# Altium PCB sFMC-98_s2.PcbDoc (part 1 of 2)
Units mm, origin at the board's own origin, x right, y up, seen from the top; angles counter-clockwise.
Board outline 80.35 x 49 mm, 2 copper layers (Top Layer, Bottom Layer); 74 components, 111 nets, 431 pads, 199 vias.
Unrouted connection lines stored in the file: 1.
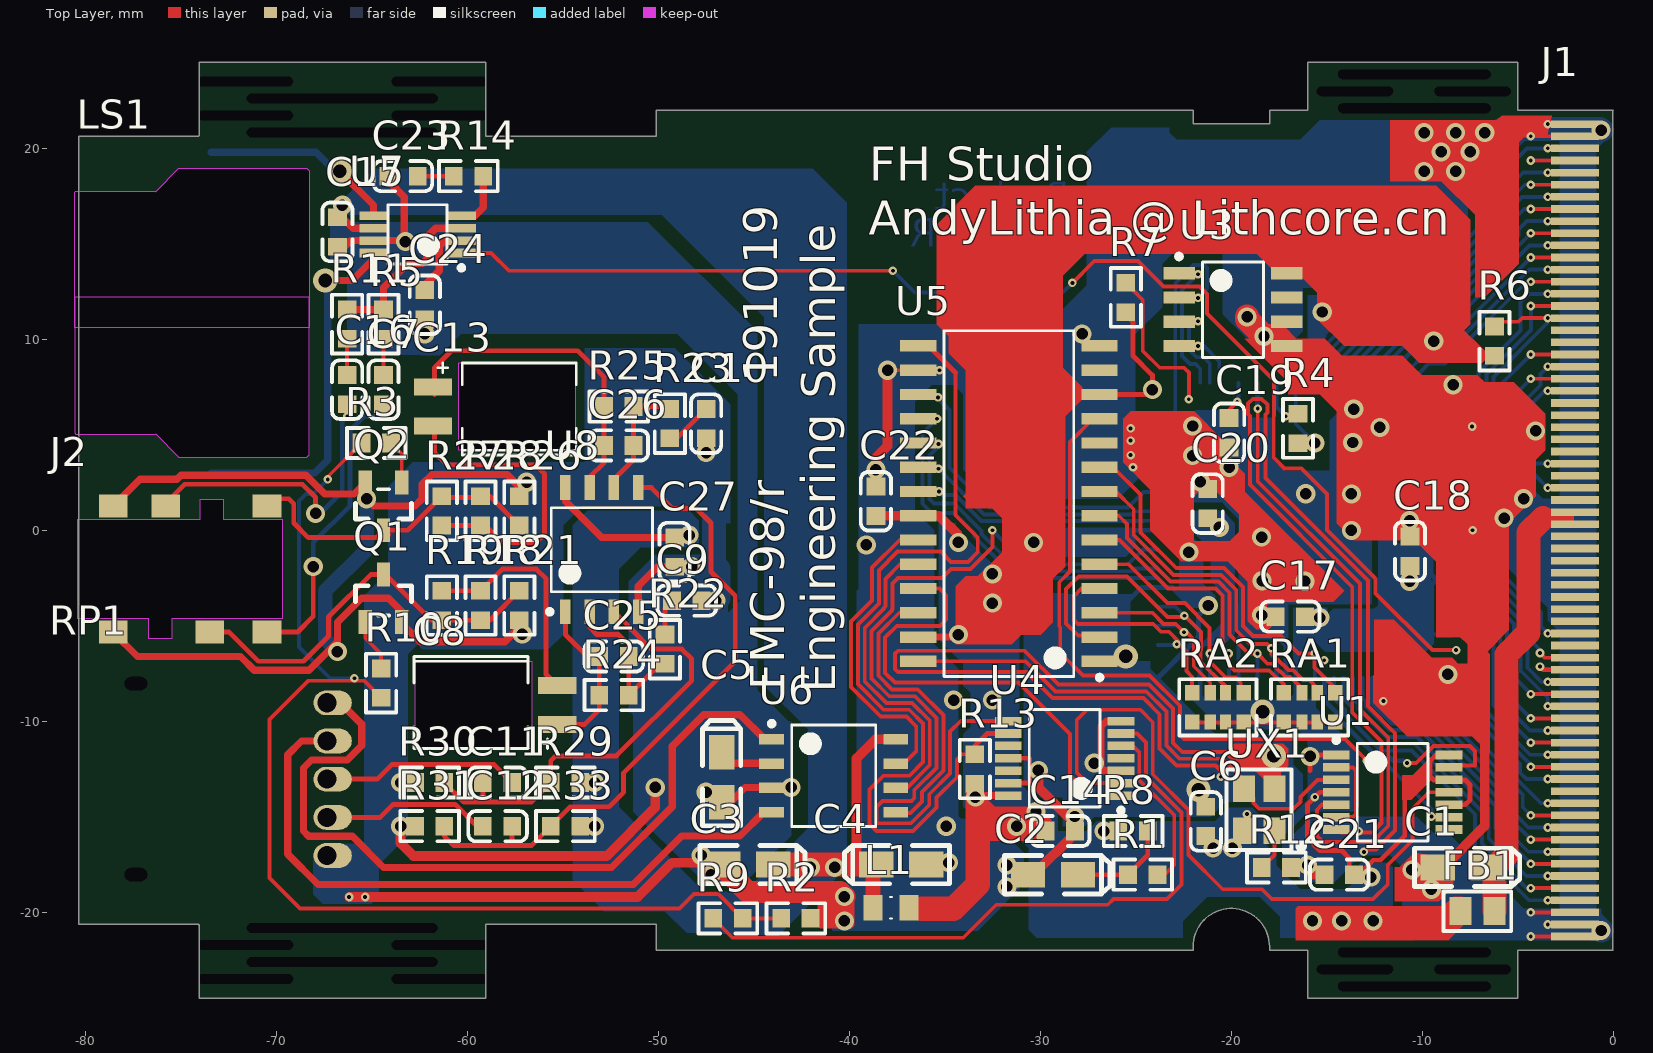
[diagram p0: Top Layer view]
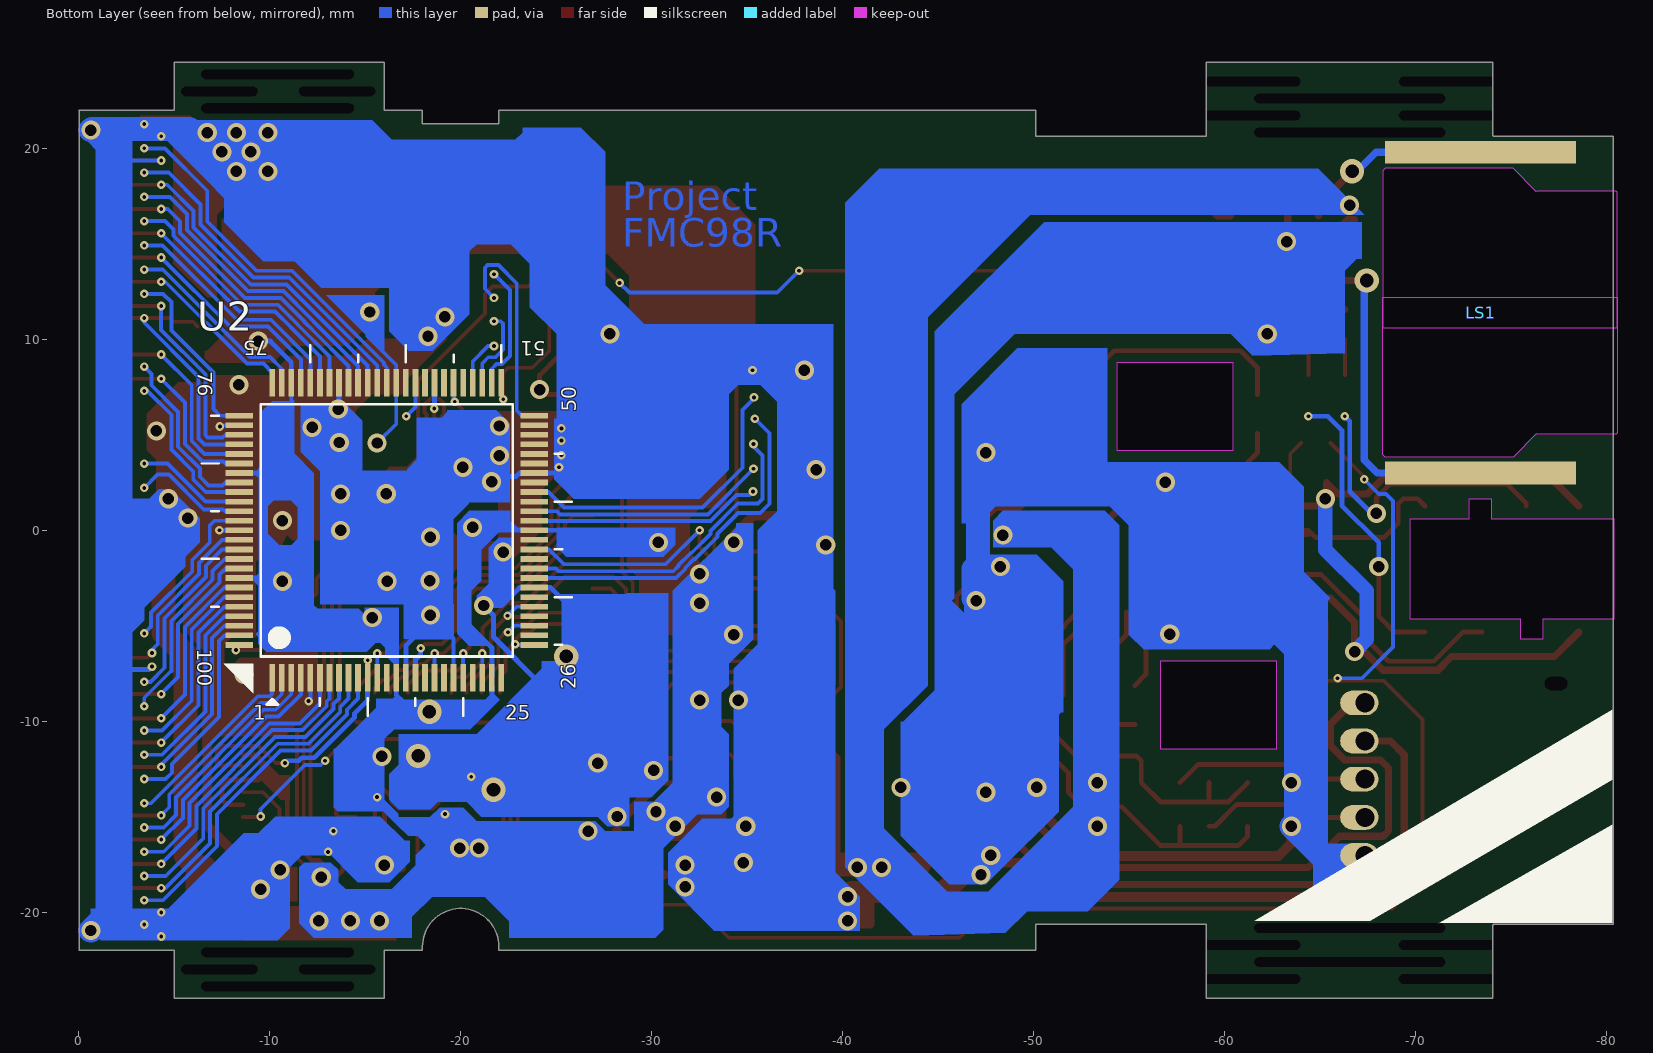
[diagram p1: Bottom Layer view, seen from below]
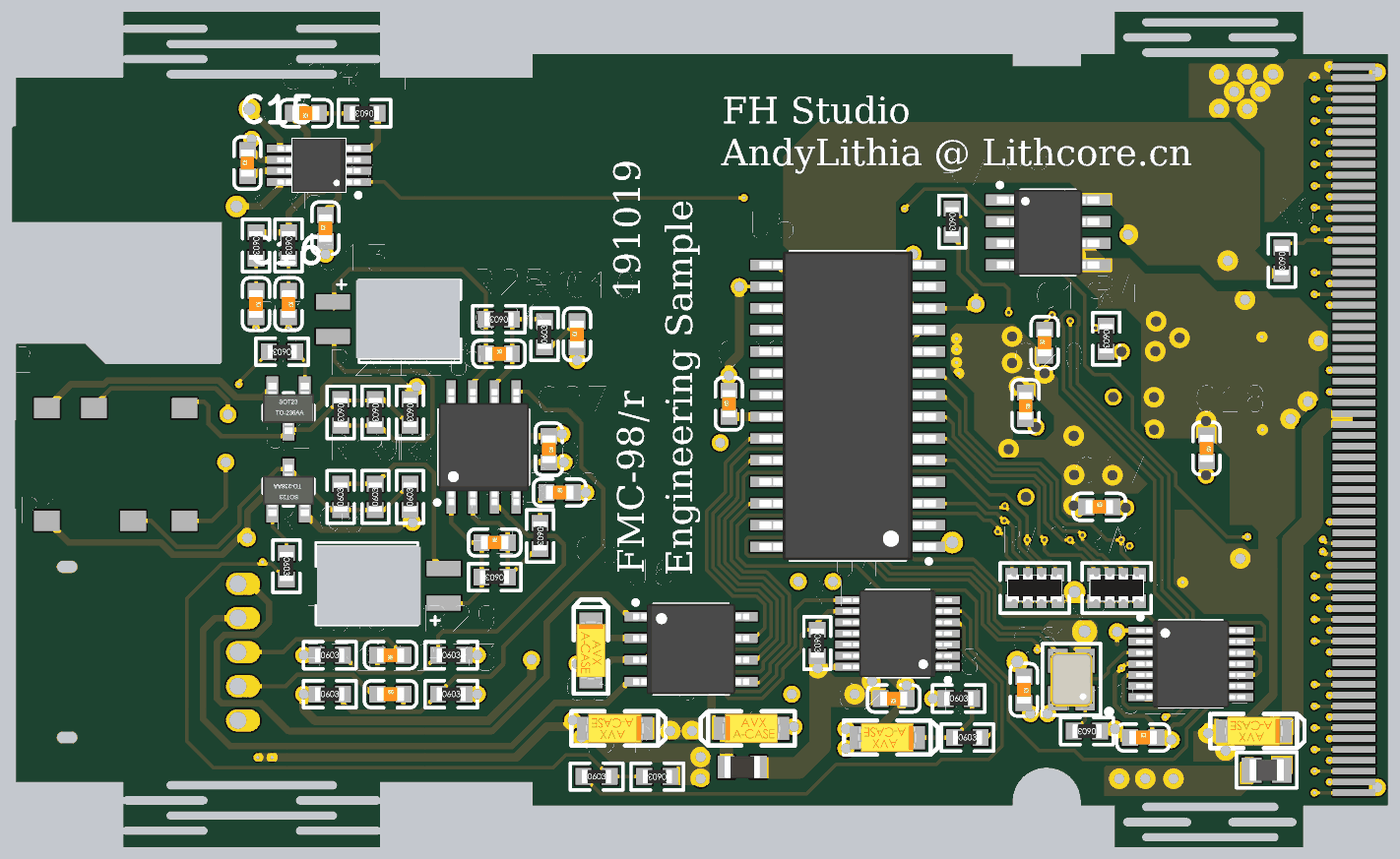
[diagram p3: 3D render of the assembled board from above, using the file's embedded part models]

## Layer stack, top to bottom
Top Solder: solder mask 0.0102, Solder Resist, Dk 3.5
Top Layer: signal copper 0.0356
Dielectric 1: dielectric 0.32, FR-4, Dk 4.8
Bottom Layer: signal copper 0.0356
Bottom Solder: solder mask 0.0102, Solder Resist, Dk 3.5

## Board outline
-80.35,-20.625 -74.092,-20.625 -74.041,-20.676 -74.041,-24.5 -59.041,-24.5 -59.041,-20.625 -50.1,-20.625 -50.1,-22 -22,-22 -22,-21.8 cw(c-20,-21.8) -18,-21.8 -18,-22 -16.002,-22 -16.002,-24.5 -5,-24.5 -5,-22 -0.025,-22 -0.025,22 0,22 -5,22 -5,24.5 -16.002,24.5 -16.002,22 -18,22 -18,21.3 -22,21.3 -22,22 -50.1,22 -50.1,20.625 -59.041,20.625 -59.041,24.5 -74.041,24.5 -74.041,20.676 -74.092,20.625 -80.35,20.625
cut-out: -80.493,5.029 -76.352,5.029 -76.327,5.055 -75.108,3.835 -68.402,3.835 -68.275,3.962 -68.275,12.192 -80.569,12.192 -80.569,5.105
cut-out: -80.493,17.765 -76.352,17.765 -76.327,17.74 -75.108,18.959 -68.402,18.959 -68.275,18.832 -68.275,10.602 -80.569,10.602 -80.569,17.689
cut-out: -73.991,0.568 -73.991,1.618 -72.791,1.618 -72.791,0.568 -69.691,0.568 -69.691,-4.632 -75.491,-4.632 -75.491,-5.682 -76.691,-5.682 -76.691,-4.632 -80.391,-4.632 -80.391,0.568
cut-out: -54.356,4.191 -60.452,4.191 -60.452,8.763 -54.356,8.763
cut-out: -62.738,-6.858 -56.642,-6.858 -56.642,-11.43 -62.738,-11.43

## Design rules (kind name [scope] priority, off if disabled: settings)
Clearance [All] p1: gap=0.152 ignorepadtopadclearanceinfootprint=FALSE except(0: Arc-Hole Track-Hole SMDPad-Hole THPad-Hole Via-Hole Fill-Hole Poly-Hole Region-Hole Text-Hole)
PolygonConnect [All] p1: connectstyle=Relief reliefconductorwidth=0.254 reliefentries=4 polygonreliefangle="90 Angle" airgapwidth=0.254
RoutingVias [All] p1: holewidth=0.711 width=1.27 viastyle="Through Hole" minholewidth=0.711 minwidth=1.27 maxholewidth=0.711 maxwidth=1.27
SolderMaskExpansion [All] p1: expansion=0.102
Width [All] p1: maxlimit=1.27 minlimit=0.102 preferedwidth=0.203 minimp=50.000000 maximp=50.000000 favimp=50.000000
30 further rules are at their usual default settings.

## Components (designator, comment, footprint, x,y, rotation, side; value= is the part's Value field where it differs from the comment)
C1 "10uF (106) ±10% 16V" CASE-A_3216 -7.874,-17.653 r0 top
C2 "10uF (106) ±10% 16V" CASE-A_3216 -29.337,-18.034 r0 top
C3 "10uF (106) ±10% 16V" CASE-A_3216 -45.288,-17.501 r0 top
C4 "10uF (106) ±10% 16V" CASE-A_3216 -37.287,-17.501 r180 top
C5 "10uF (106) ±10% 16V" CASE-A_3216 -46.685,-12.929 r90 top
C6 "100nF (104) 10% 50V" 0603_C -21.336,-15.24 r270 top
C7 "100nF (104) 10% 50V" 0603_C -64.389,7.366 r270 top
C8 "Cap Elec" C-RB-4_5MM_Cutout -57.077,-9.144 r180 top value=10uF
C9 "100nF (104) 10% 50V" 0603_C -48.514,-3.683 r0 top
C10 "100nF (104) 10% 50V" 0603_C -47.498,5.588 r90 top
C11 "470nF (474) 10% 25V" 0603_C -58.42,-13.208 r180 top
C12 "470nF (474) 10% 25V" 0603_C -58.42,-15.494 r0 top
C13 "Cap Elec" C-RB-4_5MM_Cutout -60.017,6.477 r0 top value=10uF
C14 "100nF (104) 10% 50V" 0603_C -28.956,-15.748 r180 top
C15 "1uF (105) 10% 50V" 0603_C -66.802,15.621 r90 top
C16 "100nF (104) 10% 50V" 0603_C -66.294,7.366 r270 top
C17 "100nF (104) 10% 50V" 0603_C -16.916,-4.521 r0 top
C18 "100nF (104) 10% 50V" 0603_C -10.643,-1.092 r270 top
C19 "100nF (104) 10% 50V" 0603_C -20.117,5.105 r90 top
C20 "100nF (104) 10% 50V" 0603_C -21.234,1.397 r270 top
C21 "100nF (104) 10% 50V" 0603_C -14.351,-18.034 r0 top
C22 "100nF (104) 10% 50V" 0603_C -38.608,1.524 r90 top
C23 "100nF (104) 10% 50V" 0603_C -63.373,18.542 r180 top
C24 "1uF (105) 10% 50V" 0603_C -62.23,11.811 r90 top
C25 "100nF (104) 10% 50V" 0603_C -52.324,-6.604 r0 top
C26 "100nF (104) 10% 50V" 0603_C -52.07,4.445 r0 top
C27 "100nF (104) 10% 50V" 0603_C -49.149,-1.143 r270 top
FB1 "100Ω ±25% 100MHz" 0805_L -7.112,-19.939 r180 top
J1 "PCMCIA Connector" PCF-SMT-K1 0,0 r270 top locked
J2 "PJK-242S-C" PJK-242S-C -80.391,-2.032 r0 top
L1 "Bead" L2012X10N_LQW21 -37.821,-19.761 r0 top value=1
LS1 "Buzzer" SPK_PCB_MOUNT -68.406,3.897 r90 top
Q1 "C945" SOT-23(SOT-23-3) -64.389,-3.556 r270 top
Q2 "C945" SOT-23(SOT-23-3) -64.389,1.25 r90 top
R1 "10KΩ (1002) ±1%" 0603_R -24.638,-18.034 r0 top
R2 "4.7KΩ (4701) ±1%" 0603_R -42.799,-20.32 r180 top
R3 "10KΩ (1002) ±1%" 0603_R -64.77,4.572 r180 top
R4 "10KΩ (1002) ±1%" 0603_R -16.51,5.334 r270 top
R5 "300KΩ (3003) ±1%" 0603_R -64.389,10.795 r270 top
R6 "10KΩ (1002) ±1%" 0603_R -6.223,9.906 r270 top
R7 "10KΩ (1002) ±1%" 0603_R -25.527,12.192 r270 top
R8 "47KΩ (4702) ±1%" 0603_R -25.146,-15.748 r0 top
R9 "4.7KΩ (4701) ±1%" 0603_R -46.355,-20.32 r0 top
R10 "10KΩ (1002) ±1%" 0603_R -64.516,-8.001 r270 top
R11 "300KΩ (3003) ±1%" 0603_R -66.294,10.795 r270 top
R12 "Optional" 0603_R -17.641,-17.653 r180 top
R13 "10KΩ (1002) ±1%" 0603_R -33.426,-12.497 r270 top
R14 "150KΩ (1503) ±1%" 0603_R -59.944,18.542 r180 top
R18 "68Ω (68R0) ±1%" 0603_R -59.309,-3.937 r90 top
R19 "68Ω (68R0) ±1%" 0603_R -61.341,-3.937 r90 top
R21 "47KΩ (4702) ±1%" 0603_R -57.277,-3.937 r90 top
R22 "10KΩ (1002) ±1%" 0603_R -49.657,-6.223 r270 top
R23 "10KΩ (1002) ±1%" 0603_R -49.403,5.588 r90 top
R24 "22KΩ (2202) ±1%" 0603_R -52.324,-8.636 r180 top
R25 "22KΩ (2202) ±1%" 0603_R -52.07,6.477 r180 top
R26 "47KΩ (4702) ±1%" 0603_R -57.277,1.016 r270 top
R27 "68Ω (68R0) ±1%" 0603_R -61.341,1.016 r270 top
R28 "68Ω (68R0) ±1%" 0603_R -59.309,1.016 r270 top
R29 "10KΩ (1002) ±1%" 0603_R -54.864,-13.208 r0 top
R30 "10KΩ (1002) ±1%" 0603_R -61.976,-13.208 r0 top
R31 "10KΩ (1002) ±1%" 0603_R -61.976,-15.494 r0 top
R33 "10KΩ (1002) ±1%" 0603_R -54.864,-15.494 r0 top
RA1 "10KΩ (103) ±5%" 0603_Rx4 -15.9,-9.271 r180 top
RA2 "10KΩ (103) ±5%" 0603_Rx4 -20.701,-9.271 r180 top
RP1 "RPot Generic B103" RPot_RK10J12E_ALPS -74.854,-13.03 r90 top
U1 "7474" TSSOP14_TSOP65P640X120-14N -11.557,-13.716 r0 top
U2 "Z86017/Z16017" VQFP100_TSQFP50P1600X1600X160-100N -16.129,0 r90 bottom locked
U3 "ST93C56_C57" "SOIC-8 NB" -19.914,11.557 r0 top
U4 "7404" TSSOP14_TSOP65P640X120-14N -28.727,-11.938 r180 top
U5 "YMF288-M SOP28" SOP127P1030X265-28N -31.648,1.397 r180 top locked
U6 "uPD6379A_AL" DMP8_SOIC127P680X175-8N -40.818,-12.852 r0 top
U7 "NS4150" MS8 -62.611,15.494 r180 top
U8 "NJM3414AD/AM/AV" DMP8_SOIC127P680X175-8N -52.959,-1.016 r90 top
UX1 "Crystal OSC" SMD-3225_4P -18.542,-14.63 r90 top

## Footprints (in the part's own frame and the unit in brackets; to place one, negate y for a bottom-side part, rotate by r counter-clockwise, add the part's x,y. Pads: shape width x height; smd on the part's side, far side on the other; paste and mask are expansions set on the pad)
0603_C [mm]
  rect 0.93x0.98 smd: 1(-0.77,0) 2(0.77,0)
  silkscreen extent -1.53,-0.79 1.54,0.79, body extent -0.8,-0.4 0.8,0.4, height 0.3
0603_R [mm]
  rect 0.93x0.98 smd: 1(-0.77,0) 2(0.77,0)
  silkscreen extent -1.53,-0.79 1.54,0.79, body extent -0.85,-0.4 0.85,0.4, height 0.56
0603_Rx4 [mm]
  rect 0.75x0.8 smd mask+0.051: 1(-1.35,-0.77) 4(1.35,-0.77) 5(1.35,0.77) 8(-1.35,0.77)
  rect 0.58x0.8 smd mask+0.051: 2(-0.4,-0.77) 3(0.4,-0.77) 6(0.4,0.77) 7(-0.4,0.77)
  silkscreen extent -2.03,-1.47 2.03,1.47, body extent -1.6,-0.8 1.6,0.8, height 0.55
0805_L [mm]
  rect 1.16x1.47 smd: 1(-0.89,0) 2(0.89,0)
  silkscreen extent -1.77,-1.04 1.77,1.03, body extent -1.02,-0.64 1.03,0.64, height 0.6
C-RB-4_5MM_Cutout [mm]
  rect 2x0.89 smd: 1(-1.778,1.016) 2(-1.778,-1.016)
  silkscreen extent -1.52,-2.54 5.71,2.29, body extent -2,-2 5,2, height 2
CASE-A_3216 [mm]
  rect 1.8x1.35 smd: 1(1.31,0) 2(-1.31,0)
  silkscreen extent -2.54,-1 2.97,1, body extent -1.7,-0.84 1.7,0.84, height 1.71
DMP8_SOIC127P680X175-8N [mm] "SOIC, 8-Leads, Body 5.00x5.00mm, Pitch 1.27mm, IPC Medium Density"
  rect 1.3x0.55 smd: 1(-3.25,1.905) 2(-3.25,0.635) 3(-3.25,-0.635) 4(-3.25,-1.905) 5(3.25,-1.905) 6(3.25,-0.635) 7(3.25,0.635) 8(3.25,1.905)
  silkscreen extent -3.37,-2.65 2.2,2.85, body extent -3.4,-2.65 3.4,2.65, height 1.75
L2012X10N_LQW21 [mm] "Chip Inductor, 2-Leads, Body 2.00x1.20mm, IPC Medium Density, Murata LQW21 Series"
  rect 0.98x1.34 smd: 1(-0.94,0) 2(0.94,0)
  silkscreen extent -0.05,-0.57 0.05,0.57, body extent -1.05,-0.65 1.05,0.65, height 1
MS8 [mm] "8-Lead Plastic MSOP ( Reference LTC DWG # 05-08-1660 )"
  rect 1.5x0.45 smd: 1(-2.3,0.975) 2(-2.3,0.325) 3(-2.3,-0.325) 4(-2.3,-0.975) 5(2.3,-0.975) 6(2.3,-0.325) 7(2.3,0.325) 8(2.3,0.975)
  silkscreen extent -2.43,-1.55 1.55,1.87, body extent -2.44,-1.55 2.44,1.55, height 0.86
PCF-SMT-K1 [mm] "PCMCIA Female Single Side SMT"
  rect 0.4x2.5 smd: 1(-21.27,-2) 2(-20,-2) 3(-18.73,-2) 4(-17.46,-2) 5(-16.19,-2) 6(-14.92,-2) 7(-13.65,-2) 8(-12.38,-2) 9(-11.11,-2) 10(-9.84,-2) 11(-8.57,-2) 12(-7.3,-2) 13(-6.03,-2) 14(-4.76,-2) 15(-3.49,-2) 16(-2.22,-2) 17(-0.95,-2) 18(0.32,-2) 19(1.59,-2) 20(2.86,-2) 21(4.13,-2) 22(5.4,-2) 23(6.67,-2) 24(7.94,-2) 25(9.21,-2) 26(10.48,-2) 27(11.75,-2) 28(13.02,-2) 29(14.29,-2) 30(15.56,-2) 31(16.83,-2) 32(18.1,-2) 33(19.37,-2) 34(20.64,-2) 35(-20.635,-2) 36(-19.365,-2) 37(-18.095,-2) 38(-16.825,-2) 39(-15.555,-2) 40(-14.285,-2) 41(-13.015,-2) 42(-11.745,-2) 43(-10.475,-2) 44(-9.205,-2) 45(-7.935,-2) 46(-6.665,-2) 47(-5.395,-2) 48(-4.125,-2) 49(-2.855,-2) 50(-1.585,-2) 51(-0.315,-2) 52(0.955,-2) 53(2.225,-2) 54(3.495,-2) 55(4.765,-2) 56(6.035,-2) 57(7.305,-2) 58(8.575,-2) 59(9.845,-2) 60(11.115,-2) 61(12.385,-2) 62(13.655,-2) 63(14.925,-2) 64(16.195,-2) 65(17.465,-2) 66(18.735,-2) 67(20.005,-2) 68(21.27,-2)
  body extent -23.2,0 23.2,6, height 1.75
PJK-242S-C [mm]
  rect 1.5x1.2 smd: 1(1.85,-3.3) 3(9.9,3.3) 4(6.9,-3.3) 5(4.6,3.3) 6(9.9,-3.3)
  rect 1.5x1.2 smd mask+0.102: 2(1.85,3.3)
  body extent -1.5,-2.9 10.3,2.9, height 2.4
RPot_RK10J12E_ALPS [mm] "Thru Hole Rotary Potentiometer"
  round 0 hole 0.7 slot 1.2 at 90 deg: 0(-5,2.5) 0(5,2.5)
  oval 1.3x2 hole 1 copper offset 0,-0.3: 1(-4,-7.5) 2(-2,-7.5) 3(0,-7.5) 4(2,-7.5) 5(4,-7.5)
  body extent -7,-7.5 7,7, height 1.8
SMD-3225_4P [mm]
  rect 1.4x1.15 smd: 1(-1.1,-0.8) 2(1.1,-0.8) 3(1.1,0.8) 4(-1.1,0.8)
  silkscreen extent -2.1,-2.35 2.1,1.7, body extent -1.6,-1.25 1.6,1.25, height 0.61
"SOIC-8 NB" [mm] "SOIC, 8-Leads, Body 4.90x3.90mm, Pitch 1.27mm, IPC Low Density"
  rect 1.65x0.65 smd: 1(-2.825,1.905) 2(-2.825,0.635) 3(-2.825,-0.635) 4(-2.825,-1.905) 5(2.825,-1.905) 6(2.825,-0.635) 7(2.825,0.635) 8(2.825,1.905)
  silkscreen extent -2.95,-2.5 1.6,2.9, body extent -3,-2.5 3,2.5, height 1.75
SOP127P1030X265-28N [mm] "SOP, 28-Leads, Body 17.90x7.50mm, Pitch 1.27mm, IPC Medium Density"
  rect 1.9x0.6 smd: 1(-4.75,8.255) 2(-4.75,6.985) 3(-4.75,5.715) 4(-4.75,4.445) 5(-4.75,3.175) 6(-4.75,1.905) 7(-4.75,0.635) 8(-4.75,-0.635) 9(-4.75,-1.905) 10(-4.75,-3.175) 11(-4.75,-4.445) 12(-4.75,-5.715) 13(-4.75,-6.985) 14(-4.75,-8.255) 15(4.75,-8.255) 16(4.75,-6.985) 17(4.75,-5.715) 18(4.75,-4.445) 19(4.75,-3.175) 20(4.75,-1.905) 21(4.75,-0.635) 22(4.75,0.635) 23(4.75,1.905) 24(4.75,3.175) 25(4.75,4.445) 26(4.75,5.715) 27(4.75,6.985) 28(4.75,8.255)
  silkscreen extent -4.88,-9.05 3.4,9.23, body extent -5.16,-9.05 5.16,9.05, height 2.65
SOT-23(SOT-23-3) [mm]
  rect 1.25x0.7 smd: 1(1.25,-0.95) 2(1.25,0.95) 3(-1.25,0)
  silkscreen extent -0.65,-1.46 0.9,1.46, body extent -1.5,-1.5 1.5,1.5, height 1.3
SPK_PCB_MOUNT [mm]
  rect 1.2x10 smd far side: 1(-0.9,5) 2(15.9,5)
  body extent 0,0 15,12, height 3
TSSOP14_TSOP65P640X120-14N [mm] "TSOP, 14-Leads, Body 5.00x4.40mm, Pitch 0.65mm, IPC Medium Density"
  rect 1.4x0.45 smd: 1(-2.95,1.95) 2(-2.95,1.3) 3(-2.95,0.65) 4(-2.95,0) 5(-2.95,-0.65) 6(-2.95,-1.3) 7(-2.95,-1.95) 8(2.95,-1.95) 9(2.95,-1.3) 10(2.95,-0.65) 11(2.95,0) 12(2.95,0.65) 13(2.95,1.3) 14(2.95,1.95)
  silkscreen extent -3.07,-2.55 1.85,2.85, body extent -3.2,-2.55 3.2,2.55, height 1.2
VQFP100_TSQFP50P1600X1600X160-100N [mm] "TSQFP, 100-Leads, Body 14.00x14.00mm, Pitch 0.50mm, IPC Medium Density"
  rect 1.45x0.3 smd: 1(-7.725,6) 2(-7.725,5.5) 3(-7.725,5) 4(-7.725,4.5) 5(-7.725,4) 6(-7.725,3.5) 7(-7.725,3) 8(-7.725,2.5) 9(-7.725,2) 10(-7.725,1.5) 11(-7.725,1) 12(-7.725,0.5) 13(-7.725,0) 14(-7.725,-0.5) 15(-7.725,-1) 16(-7.725,-1.5) 17(-7.725,-2) 18(-7.725,-2.5) 19(-7.725,-3) 20(-7.725,-3.5) 21(-7.725,-4) 22(-7.725,-4.5) 23(-7.725,-5) 24(-7.725,-5.5) 25(-7.725,-6) 51(7.725,-6) 52(7.725,-5.5) 53(7.725,-5) 54(7.725,-4.5) 55(7.725,-4) 56(7.725,-3.5) 57(7.725,-3) 58(7.725,-2.5) 59(7.725,-2) 60(7.725,-1.5) 61(7.725,-1) 62(7.725,-0.5) 63(7.725,0) 64(7.725,0.5) 65(7.725,1) 66(7.725,1.5) 67(7.725,2) 68(7.725,2.5) 69(7.725,3) 70(7.725,3.5) 71(7.725,4) 72(7.725,4.5) 73(7.725,5) 74(7.725,5.5) 75(7.725,6)
  rect 0.3x1.45 smd: 26(-6,-7.725) 27(-5.5,-7.725) 28(-5,-7.725) 29(-4.5,-7.725) 30(-4,-7.725) 31(-3.5,-7.725) 32(-3,-7.725) 33(-2.5,-7.725) 34(-2,-7.725) 35(-1.5,-7.725) 36(-1,-7.725) 37(-0.5,-7.725) 38(0,-7.725) 39(0.5,-7.725) 40(1,-7.725) 41(1.5,-7.725) 42(2,-7.725) 43(2.5,-7.725) 44(3,-7.725) 45(3.5,-7.725) 46(4,-7.725) 47(4.5,-7.725) 48(5,-7.725) 49(5.5,-7.725) 50(6,-7.725) 76(6,7.725) 77(5.5,7.725) 78(5,7.725) 79(4.5,7.725) 80(4,7.725) 81(3.5,7.725) 82(3,7.725) 83(2.5,7.725) 84(2,7.725) 85(1.5,7.725) 86(1,7.725) 87(0.5,7.725) 88(0,7.725) 89(-0.5,7.725) 90(-1,7.725) 91(-1.5,7.725) 92(-2,7.725) 93(-2.5,7.725) 94(-3,7.725) 95(-3.5,7.725) 96(-4,7.725) 97(-4.5,7.725) 98(-5,7.725) 99(-5.5,7.725) 100(-6,7.725)
  silkscreen extent -9.7,-9.7 9.7,9.7, body extent -8,-8 8,8, height 1.6

## Part data
C1 C2 C3 C4 C5: library part "3216 10uF (106) 10% 16V", "钽电容", Package=3216, SuppliersPartNumber=C7171, ComponentLink1Description=供应, ComponentLink1URL=http://www.szlcsc.com/product/details_7643.html, Supplier=LC
C6 C7 C9 C10 C14 C16 C17 C18 C19 C20 C21 C22 C23 C25 C26 C27: library part "0603 100nF (104) 10% 50V", "贴片电容", Package=0603, SuppliersPartNumber=C14663, ComponentLink1Description=供应, ComponentLink1URL=http://www.szlcsc.com/product/details_15331.html, Supplier=LC
C8 C13: library part "Cap Pol3", "Polarized Capacitor (Surface Mount)", LatestRevisionDate=29-May-2009, LatestRevisionNote="IPC-7351 Footprint Added.", PackageDescription="Chip Capacitor", PackageReference=C0805, Published=8-Jun-2000, Publisher="Altium Limited"
C11 C12: library part "0603 470nF (474) 10% 25V", "贴片电容", Package=0603, SuppliersPartNumber=C1623, ComponentLink1Description=供应, ComponentLink1URL=http://www.szlcsc.com/product/details_1975.html, Supplier=LC
C15 C24: library part "0603 1uF (105) 10% 50V", "贴片电容", Package=0603, SuppliersPartNumber=C15849, ComponentLink1Description=供应, ComponentLink1URL=http://www.szlcsc.com/product/details_16531.html, Supplier=LC
FB1: library part "0805 100Ω 25% 100MHz", "贴片磁珠", Package=0805, SuppliersPartNumber=C1015, ComponentLink1Description=供应, ComponentLink1URL=http://www.szlcsc.com/product/details_1367.html, Supplier=LC
J1: library part PCMCIA_Conn
J2: "2.5mm Headphone Jack"
L1: library part Inductor, "Inductor", Code_IEC=1005, Code_JEITA=0402, LatestRevisionDate=29-May-2009, LatestRevisionNote="IPC-7351 Footprint Added.", PackageDescription="Chip Inductor", PackageReference=0402-A, Published=8-Jun-2000, Publisher="Altium Limited"
LS1: "Magnetic Transducer Buzzer", ComponentLink1Description="Manufacturer Link", ComponentLink1URL=http://www.megastar.com/linecard/buzzmode/index.php, DatasheetVersion=17-Dec-2003, LatestRevisionDate=17-Dec-2003, LatestRevisionNote="Schematic revised, PCB Footprint replaced.", PackageDescription="Magnetic Transducer Buzzer", PackageReference=ABSM-1574, Published=24-Mar-1999, Publisher="Altium Limited"
Q1 Q2: library part "SOT-23 SS8050 Y1", "三极管", Package=SOT-23, SuppliersPartNumber=C2150, ComponentLink1Description=供应, ComponentLink1URL=http://www.szlcsc.com/product/details_2507.html, Supplier=LC
R1 R3 R4 R6 R7 R10 R12 R13 R22 R23 R29 R30 R31 R33: library part "0603 10KΩ (1002) 1%", "贴片电阻", Package=0603, SuppliersPartNumber=C25804, ComponentLink1Description=供应, ComponentLink1URL=http://www.szlcsc.com/product/details_26547.html, Supplier=LC
R2 R9: library part "0603 4.7KΩ (4701) 1%", "贴片电阻", Package=0603, SuppliersPartNumber=C23162, ComponentLink1Description=供应, ComponentLink1URL=http://www.szlcsc.com/product/details_23889.html, Supplier=LC
R5 R11: library part "0603 300KΩ (3003) 1%", "贴片电阻", Package=0603, SuppliersPartNumber=C23024, ComponentLink1Description=供应, ComponentLink1URL=http://www.szlcsc.com/product/details_23751.html, Supplier=LC
R8 R21 R26: library part "0603 47KΩ (4702) 1%", "贴片电阻", Package=0603, SuppliersPartNumber=C25819, ComponentLink1Description=供应, ComponentLink1URL=http://www.szlcsc.com/product/details_26562.html, Supplier=LC
R14: library part "0603 150KΩ (1503) 1%", "贴片电阻", Package=0603, SuppliersPartNumber=C22807, ComponentLink1Description=供应, ComponentLink1URL=http://www.szlcsc.com/product/details_23534.html, Supplier=LC
R18 R19 R27 R28: library part "0603 68Ω (68R0) 1%", "贴片电阻", Package=0603, SuppliersPartNumber=C27592, ComponentLink1Description=供应, ComponentLink1URL=http://www.szlcsc.com/product/details_28341.html, Supplier=LC
R24 R25: library part "0603 22KΩ (2202) 1%", "贴片电阻", Package=0603, SuppliersPartNumber=C31850, ComponentLink1Description=供应, ComponentLink1URL=http://www.szlcsc.com/product/details_32812.html, Supplier=LC
RA1 RA2: library part "0603*4  10KΩ (103) 5%", "贴片排阻", Package=0603*4, SuppliersPartNumber=C29718, ComponentLink1Description=供应, ComponentLink1URL=http://www.szlcsc.com/product/details_30472.html, Supplier=LC
RP1: library part RPot_Generic_Bxxx
U1: library part 7474_J_N_1, "Dual D-Type Positive-Edge-Triggered Flip-Flops With Preset And Clear"
U2: library part ZX6017
U3: "2K (128 x 16 or 256 x 8) SERIAL MICROWIRE EEPROM"
U4: library part 7404_J_N_1, "Hex Inverter"
U5: library part YMF288_M
U6: "2-CHANNEL 16-BIT D/A CONVERTER FOR AUDIO APPLICATION"
U7: "超低 EMI、无需滤波器、3W 单声道 D 类音频功放"
U8: library part NJM3414AD_AM_AV_1, "Single-Supply Dual High Current Operational Amplifier"
UX1: library part XTAL_OSC, Freq=7.98MHz

## Free pads (board coordinates)
  rect 0x0 hole 0.5 slot 10 at 0 deg unplated: 2(-66.548,-22.606) 2(-66.548,-20.828) 2(-66.548,20.828) 2(-66.548,22.606)
  rect 0x0 hole 0.5 slot 5 at 0 deg unplated: 3(-71.628,-23.495) 3(-71.628,-21.717) 3(-71.628,21.717) 3(-71.628,23.495) 3(-61.468,-23.495) 3(-61.468,-21.717) 3(-61.468,21.717) 3(-61.468,23.495)
  rect 0x0 hole 0.5 slot 4 at 0 deg unplated: 3(-13.528,-22.987) 3(-13.528,22.987) 3(-7.366,-22.987) 3(-7.366,22.987)
  rect 0x0 hole 0.5 slot 8 at 0 deg unplated: 3(-10.414,-23.876) 3(-10.414,-22.098) 3(-10.414,22.098) 3(-10.414,23.876)

## Via types
v1: diameter 1, hole 0.6, Top Layer to Bottom Layer, 98 vias
v2: diameter 0.45, hole 0.2, Top Layer to Bottom Layer, 95 vias
v3: diameter 1.27, hole 0.711, Top Layer to Bottom Layer, 6 vias

## Nets (pads, with @x,y where several pads share a name; then routed paths per layer and width w, separated by ;. In a path a pad name is that pad's centre, name@x,y a point inside that pad or via, vN(x,y) a via of type N, cw(c..) or ccw(c..) an arc to the next point about the centre after c; other vN are vias at no path point)
5V: C6.2 C14.2 C17.2 C18.2 C20.2 C21.2 C22.1 FB1.2 L1.2 R4.2 R6.2 R7.2 R8.1 R13.2 RA1.5 RA1.6 RA1.7 RA1.8 RA2.5 RA2.6 RA2.7 RA2.8 U1.1 U1.4 U1.10 U1.12 U1.14 U2.14 U2.24 U2.38 U2.62 U2.73 U2.82 U2.93 U3.8 U4.14 U5.12 U5.22 U5.27 UX1.4 | length 116.1
  Top Layer w0.203: RA2.5@-22.203,-10.066 -20.301,-10.066 -14.576,-10.066 RA1.8@-14.55,-10.041
  Top Layer w0.254: U5.12@-26.898,7.112 -24.384,7.112 v1(-24.13,7.366) -24.13,8.128 -25.146,9.144 -25.146,10.922 R7.2@-25.527,11.303 ; -15.875,-12.573 -15.875,-12.192 -15.449,-11.766 U1.1@-14.507,-11.766 ; U1.4@-14.507,-13.716 -15.367,-13.716 v2(-15.621,-13.97) -16.002,-14.351 -16.002,-16.129 -15.367,-16.764 -14.224,-16.764 -13.826,-17.162 -13.826,-17.789 C21.2@-13.581,-18.034 -13.458,-18.157 -12.573,-17.272 -12.192,-17.272 -10.922,-16.002 -10.922,-13.589 -10.226,-12.893 -9.586,-12.893 ; U1.10@-8.607,-14.366 -7.762,-14.366 -7.493,-14.097 -7.493,-13.335 -7.762,-13.066 U1.12@-8.607,-13.066 -9.413,-13.066 -9.586,-12.893 ; U1.14@-8.607,-11.766 -9.277,-11.766 -9.586,-12.075 -9.586,-12.893
  Top Layer w0.381: U5.27@-36.398,-5.588 -34.417,-5.588 v1(-34.29,-5.461) ; v1(-33.401,-13.97) -33.319,-13.888 U4.14@-31.677,-13.888
  Top Layer w0.508: C22.1@-38.608,0.83 -38.54,0.762 U5.22@-36.398,0.762 -35.306,0.762 -34.29,-0.254 v1(-34.29,-0.635)
  Top Layer w1.27: -36.195,-19.812 -34.544,-19.812 -33.274,-18.542 -33.274,-15.113
  Bottom Layer w0.203: v2(-19.177,-14.859) -19.152,-14.859 -18.694,-15.316 -16.967,-15.316 v2(-15.621,-13.97) ; v1(-15.621,4.572) -16.629,5.58 U2.62@-16.629,7.725 -16.629,8.644 -15.113,10.16 v1@-15.113,11.176 ; -11.201,6.756 -11.176,6.731 ; -11.176,6.223 -11.176,6.731 ; U2.73@-11.129,7.725 -11.129,6.829 -11.176,6.782 -11.176,6.731 ; -9.319,3 -9.576,3.257 -9.576,6.096 -10.16,6.68 -11.125,6.68 -11.176,6.731
  Bottom Layer w0.254: -25.908,0 U2.38@-23.854,0 -22.311,0 -22.294,0.017 -21.648,0.017 -21.631,0 -20.955,0 -20.955,-2.616 -20.43,-3.142 -20.43,-4.936 -21.637,-6.143 -21.637,-7.717 U2.24@-21.629,-7.725 -21.629,-8.699 -21.336,-8.992 -16.993,-8.992 -16.629,-8.628 U2.14@-16.629,-7.725 -16.629,-6.952 -16.154,-6.477 -16.154,-5.867 -16.053,-5.766 -9.739,-5.766 -9.408,-5.436 ; v1(-15.875,-11.836) -15.875,-13.081 -15.621,-13.335 v2(-15.621,-13.97) ; U2.73@-11.129,7.725 -11.129,8.81 -10.033,9.906 v1(-9.398,9.906) ; -9.754,-3.327 -9.754,-3.079 -9.255,-2.581 -9.336,-2.5 ; U2.93@-8.404,-2.5 -9.336,-2.5 ; U2.82@-8.404,3 -9.319,3 -9.55,2.769 -9.55,-2.286 -9.336,-2.5
  other v1: -15.748,-20.447 -14.224,-20.447 -12.573,-20.447 -12.7,-18.161 -20.955,-16.637 -19.939,-16.637 -26.67,-15.748 -31.242,-15.494 -30.226,-14.732 -32.512,-8.89 -15.367,-4.572 -32.512,-3.81 -10.668,-2.667 -32.512,-2.286 -30.353,-0.635 -20.625,0.152 -15.24,11.43
  other v3: -18.364,-9.5
5V_RAW: C1.1 FB1.1 J1.17 J1.51 | length 22.2
  Top Layer w0.203: J1.51@-2.066,0.381 J1.51@-2,0.315
  Top Layer w1.27: FB1.1@-6.222,-19.939 -6.222,-17.995 C1.1@-6.564,-17.653 -6.223,-17.653 -5.588,-17.018 -5.588,-6.503 -4.445,-5.36 -4.445,-0.127 -3.683,0.635
A5V: C3.1 C4.1 C15.2 C27.1 L1.1 R29.2 R33.2 U6.8 U7.6 U8.8 | length 25
  Top Layer w0.381: C15.2@-66.802,16.264 -66.429,16.264 -65.984,15.819 U7.6@-64.911,15.819 ; U8.8@-54.864,2.234 -54.864,1.524 -52.967,-0.373 C27.1@-49.149,-0.373
  Top Layer w0.508: -39.624,-17.501 -39.624,-11.938 -38.633,-10.947 U6.8@-37.568,-10.947
  Top Layer w0.762: L1.1@-38.761,-19.761 C4.1@-38.761,-17.664
  Top Layer w1.27: C3.1@-43.978,-17.501 -39.624,-17.501 C4.1@-38.597,-17.501 C4.1@-38.761,-17.664
  other v1: -42.037,-17.653 -40.767,-17.653 -53.34,-15.494 -53.34,-13.208 -48.387,-0.254 -66.548,17.018
ATA_A0: U2.40 U5.20 | length 12.5
  Bottom Layer w0.203: v2(-35.331,3.226) -32.94,0.835 -25.2,0.835 -25.035,1 U2.40@-23.854,1
ATA_A1: U2.39 U5.21 | length 12.1
  Bottom Layer w0.203: v2(-35.306,2.032) -35.115,1.841 -34.45,1.841 -33.087,0.479 -24.63,0.479 -24.609,0.5 U2.39@-23.854,0.5
ATA_C\S\: U2.42 U5.17 | length 16
  Bottom Layer w0.203: v2(-35.357,6.96) -35.357,6.909 -34.747,6.299 -34.747,3.277 -32.661,1.19 -25.404,1.19 -24.594,2 U2.42@-23.854,2
ATA_D0: RA2.2 U2.30 U5.2 | length 17
  Top Layer w0.203: U5.2@-27.635,-5.512 -28.016,-5.512 -28.651,-4.877 -28.651,-3.073 -27.991,-2.413 -25.471,-2.413 -23.337,-4.547 v2@-22.454,-4.547 ; v2(-22.454,-4.47) -21.59,-5.334 -21.59,-6.232 -21.612,-6.253 -21.612,-6.882 -20.442,-8.052 -20.396,-8.052 -20.301,-8.147 RA2.2@-20.301,-8.501
  Bottom Layer w0.203: U2.30@-23.854,-4 -22.924,-4 v2(-22.454,-4.47)
ATA_D1: RA2.3 U2.28 U5.3 | length 10.2
  Top Layer w0.203: U5.3@-26.898,-4.318 -24.13,-4.318 -23.546,-4.902 -22.911,-4.902 v2(-22.479,-5.334) -22.352,-5.334 -21.967,-5.719 -21.967,-7.116 -21.101,-7.982 RA2.3@-21.101,-8.501
  Bottom Layer w0.203: U2.28@-23.854,-5 -22.813,-5 v2(-22.479,-5.334)
ATA_D2: RA2.4 U2.26 U5.4 | length 12.7
  Top Layer w0.203: U5.4@-26.898,-3.048 -27.838,-3.048 -28.245,-3.454 -28.245,-4.699 -28.042,-4.902 -24.085,-4.902 -23.678,-5.309 -23.268,-5.309 v2@-22.734,-5.843 ; v2(-22.86,-5.969) -22.733,-5.969 -22.352,-6.35 -22.352,-7.366 -22.051,-7.667 RA2.4@-22.051,-8.501
  Bottom Layer w0.203: U2.26@-23.854,-6 v2@-22.86,-6
ATA_D3: RA2.1 U2.23 U5.5 | length 12.8
  Top Layer w0.203: U5.5@-26.898,-1.778 -25.375,-1.778 -23.343,-3.81 -22.428,-3.81 -21.133,-5.105 v2(-21.133,-6.452) -21.133,-6.858 -20.295,-7.696 -19.787,-7.696 -19.503,-7.979 RA2.1@-19.503,-8.526
  Bottom Layer w0.203: v2(-21.133,-6.452) -21.129,-6.455 U2.23@-21.129,-7.725
ATA_D4: RA1.4 U2.21 U5.6 | length 16.5
  Top Layer w0.203: U5.6@-26.873,-0.533 U5.6@-26.898,-0.508 -25.857,-0.508 -23.322,-3.043 -20.828,-3.043 -20.455,-3.416 -20.455,-6.129 v2(-20.133,-6.452) -20.133,-7.045 -19.837,-7.341 -18.015,-7.341 -17.613,-7.743 -17.58,-7.743 -17.25,-8.073 RA1.4@-17.25,-8.501
  Bottom Layer w0.203: U2.21@-20.129,-7.725 v2@-20.129,-6.455
ATA_D5: RA1.3 U2.18 U5.7 | length 17.5
  Top Layer w0.203: U5.7@-26.898,0.762 -25.893,0.762 -25.461,0.33 -25.461,-0.402 -23.175,-2.687 -20.681,-2.687 -20.1,-3.269 -20.1,-5.453 -19.101,-6.452 v2(-18.633,-6.452) -18.099,-6.985 -17.868,-6.985 -17.465,-7.388 -17.433,-7.388 -17.15,-7.671 -16.916,-7.671 -16.3,-8.287 RA1.3@-16.3,-8.501
  Bottom Layer w0.203: U2.18@-18.629,-7.725 v2@-18.629,-6.455
ATA_D6: RA1.2 U2.16 U5.8 | length 19.9
  Top Layer w0.203: U5.8@-26.898,2.032 -26.035,2.032 -25.106,1.103 -25.106,-0.254 -23.028,-2.332 -20.534,-2.332 -20.429,-2.436 ; -20.427,-2.433 -19.744,-3.116 -19.744,-5.233 -19.03,-5.947 -18.137,-5.947 -17.912,-6.172 v2(-17.907,-6.172) -17.907,-6.443 -17.318,-7.032 -17.286,-7.032 -17.003,-7.315 -16.769,-7.315 -16.237,-7.847 -15.905,-7.847 -15.5,-8.252 RA1.2@-15.5,-8.501
  Bottom Layer w0.254: v2(-17.907,-6.172) -17.907,-6.502 -17.689,-6.721 ; -17.653,-6.756 -17.689,-6.721 ; U2.16@-17.629,-7.725 -17.629,-6.721 -17.689,-6.721
ATA_D7: RA1.1 U2.12 U5.9 | length 22.2
  Top Layer w0.203: U5.9@-26.924,3.277 U5.9@-26.162,3.277 ; U5.9@-26.898,3.302 -26.187,3.302 U5.9@-26.162,3.277 ; RA1.1@-14.55,-8.501 -14.55,-8.284 -15.646,-7.188 -15.646,-6.465 v2(-15.633,-6.452) -16.485,-6.452 -17.395,-5.541 -18.862,-5.541 -19.389,-5.014 -19.389,-2.968 -20.381,-1.977 -22.881,-1.977 -24.75,-0.107 -24.75,1.865 U5.9@-26.162,3.277
  Bottom Layer w0.203: U2.12@-15.629,-7.725 v2@-15.629,-6.455
ATA_IRQ: U2.36 U4.8 | length 44.7
  Top Layer w0.203: v2(-32.512,0) -32.512,-0.884 -33.66,-2.032 -34.671,-2.032 -35.133,-2.494 -37.454,-2.494 -37.745,-2.785 -37.745,-4.125 -37.77,-4.15 -37.77,-4.196 -38.837,-5.264 -38.837,-7.762 -37.912,-8.687 -36.566,-8.687 -35.433,-9.82 -35.433,-12.436 -36.601,-13.604 -36.601,-14.021 -36.754,-14.173 -38.268,-14.173 -38.583,-14.488 -38.583,-15.245 -38.491,-15.337 -36.775,-15.337 -35.814,-14.376 -35.814,-13.822 -34.723,-12.73 -34.723,-10.542 -34.169,-9.988 U4.8@-31.677,-9.988
  Bottom Layer w0.203: v2(-32.512,0) -30.734,-1.778 -25.4,-1.778 -24.622,-1 U2.36@-23.854,-1
ATA_R\D\: U2.34 U5.19 | length 16.8
  Bottom Layer w0.203: v2(-35.331,4.521) -35.331,4.394 -35.81,3.915 -35.81,1.647 -35.56,1.397 -34.508,1.397 -33.084,-0.027 -33.084,-0.19 -32.098,-1.176 -32.052,-1.176 -31.402,-1.826 -31.402,-1.872 -31.13,-2.144 -25.126,-2.144 -24.981,-2 U2.34@-23.854,-2
ATA_W\R\: U2.33 U5.18 | length 18.8
  Bottom Layer w0.203: v2(-35.408,5.842) -36.166,5.084 -36.166,1.393 -35.687,0.914 -34.529,0.914 -33.44,-0.174 -33.44,-0.337 -32.245,-1.532 -32.2,-1.532 -31.758,-1.974 -31.758,-2.019 -31.277,-2.5 U2.33@-23.854,-2.5
GND: C1.2 C2.2 C3.2 C4.2 C5.2 C6.1 C9.2 C10.1 C14.1 C15.1 C17.1 C18.1 C19.1 C20.1 C21.1 C22.2 C23.2 C24.1 C27.2 J1.1 J1.34 J1.35 J1.36 J1.57 J1.67 J1.68 J2.1 J2.2 Q1.2 Q2.2 R2.1 R12.1 R21.1 R26.1 R30.1 R31.1 RP1.1 U1.7 U2.5 U2.15 U2.20 U2.32 U2.44 U2.68 U2.77 U2.88 U3.5 U3.6 U4.3 U4.7 U4.11 U4.13 U5.1 U5.14 U5.16 U6.3 U7.7 U8.4 UX1.2 | length 395
  Top Layer w0.203: v1(-37.998,8.382) U5.16@-36.398,8.382 ; v2@-20.523,-12.776 -20.523,-12.624 -20.828,-12.319 -22.86,-12.319 -23.757,-11.422 -23.757,-9.633 -24.602,-8.788 -29.353,-8.788 -30.729,-7.412 -37.454,-7.412 -37.602,-7.263 -37.602,-6.453 -37.454,-6.304 -30.831,-6.304 -29.058,-8.077 -24.308,-8.077 -23.046,-9.339 -23.046,-11.127 -22.566,-11.608 -20.3,-11.608 -19.512,-12.395 -18.807,-12.395 -17.742,-13.46 UX1.2@-17.742,-13.53 ; U1.7@-14.228,-15.818 -12.613,-15.818 -12.369,-15.575 -12.369,-15.56 -12.242,-15.433 ; v2(-13.056,-16.84) -12.945,-16.729 -12.446,-16.729 -11.43,-15.713 -11.43,-10.627 -12.852,-9.204 -12.852,-2.626 -18.212,2.734 -18.212,6.068 -18.114,6.166 -18.114,6.584 -18.409,6.88 -18.876,6.88 -19.123,6.633 -19.123,6.092 -19.025,5.994 -19.025,2.397 -13.665,-2.962 -13.665,-9.541 -12.141,-11.065 -12.141,-15.332 -12.242,-15.433 ; -12.242,-15.376 -12.242,-15.433 ; v2(-4.318,-21.27) J1.68@-2,-21.27 ; v2(-4.318,-20.005) J1.67@-2,-20.005 ; v2(-4.318,19.365) J1.36@-2,19.365 ; v2(-4.318,20.635) J1.35@-2,20.635
  Top Layer w0.254: U4.13@-31.677,-13.238 -30.586,-13.238 -30.556,-13.208 -30.556,-11.963 -30.582,-11.938 U4.11@-31.677,-11.938 ; v1(-10.668,0.508) -10.16,0 v2(-7.366,0) ; v2(-3.835,-7.137) -3.668,-7.305 J1.57@-2,-7.305
  Top Layer w0.381: J2.1@-78.541,-5.332 -77.269,-6.604 -71.882,-6.604 -71.158,-7.328 -68.288,-7.328 -66.802,-5.842 ; J2.2@-78.541,1.268 -77.142,2.667 -75.214,2.667 -74.998,2.883 -68.446,2.883 -67.468,1.905 -65.934,1.905 Q2.2@-65.339,2.5 -65.339,1.712 v1(-65.278,1.651) -64.897,1.27 -62.738,1.27 -62.357,1.651 -62.357,2.413 -61.849,2.921 -57.912,2.921 -57.277,2.286 R26.1@-57.277,1.786 ; RP1.1@-67.354,-17.03 RP1.1@-66.428,-17.03 ; v1(-66.802,-6.35) -66.802,-5.842 ; C15.1@-66.802,14.724 -66.556,14.724 -66.111,15.169 U7.7@-64.911,15.169 -63.302,15.169 -63.302,17.455 -64.143,18.296 C23.2@-64.143,18.542 ; R21.1@-57.277,-4.707 -57.277,-5.08 -58.039,-5.842 -62.484,-5.842 -63.439,-4.887 Q1.2@-63.439,-4.806 -63.439,-4.252 -64.135,-3.556 -65.549,-3.556 -66.802,-4.809 -66.802,-5.842 ; U8.4@-51.054,-4.266 -51.054,-2.921 -50.046,-1.913 C27.2@-49.149,-1.913 ; C5.2@-46.685,-14.239 -46.243,-14.239 -45.466,-13.462 U6.3@-43.941,-13.462 ; U4.3@-25.777,-12.588 -26.655,-12.588 -26.82,-12.423 -26.82,-10.271 -26.537,-9.988 U4.7@-25.777,-9.988
  Top Layer w0.508: v2(-66.192,-19.202) v2(-65.354,-19.202) -51.079,-19.202 -49.276,-17.399 -47.879,-17.399 -47.752,-17.272 v1(-47.752,-17.018) ; v1(-63.5,-15.494) -63.5,-16.383 -62.827,-17.056 -52.698,-17.056 -50.165,-14.523 v1(-50.165,-13.462) ; C22.2@-38.608,2.37 v1(-38.608,3.175) -38.608,3.81 -37.998,4.42 v1(-37.998,8.382) ; C2.2@-30.647,-18.034 -30.353,-18.034 -28.186,-15.867 C14.1@-28.186,-15.748 ; v1(-30.099,-12.573) -30.099,-13.462 -28.575,-14.986 v1(-28.194,-14.986) ; R12.1@-16.891,-17.653 R12.1@-16.871,-17.653 -16.129,-17.653 -15.748,-18.034 C21.1@-15.121,-18.034 ; C1.2@-9.184,-17.653 -8.89,-17.653 -6.731,-15.494 -6.731,-10.668
  Top Layer w1.143: C3.2@-46.598,-17.664 -45.322,-18.94 -40.496,-18.94 v1(-40.259,-19.177)
  Top Layer w1.27: C3.2@-46.598,-17.664 C3.2@-46.598,-17.501 ; v1(-19.177,11.176) -19.177,11.049 v1(-18.288,10.16) -17.597,10.16 U3.5@-17.089,9.652
  Bottom Layer w0.203: U2.20@-19.634,-8.077 U2.20@-19.634,-7.72 ; U2.20@-19.629,-7.725 -19.629,-5.668 ; -19.549,-5.588 -19.389,-5.428 -19.389,-3.641 v1(-18.39,-2.642) ; U2.5@-12.129,-7.725 -12.129,-8.851 v2(-12.04,-8.941) ; U2.77@-8.404,5.5 -7.456,5.5 v2(-7.391,5.436) ; v2(-4.318,19.365) -2.347,19.365
  Bottom Layer w0.254: -25.606,3 U2.44@-23.854,3 -23.084,3 -22.907,2.823 -21.899,2.823 v1(-21.615,2.54) -19.99,2.54 -19.685,2.235 -18.974,2.235 ; v3@-25.349,-6.782 -25.397,-6.734 -25.397,-3.68 -24.717,-3 U2.32@-23.854,-3 -23.084,-3 -22.147,-3.937 v1(-21.209,-3.937) -21.717,-4.445 -21.717,-5.588 -24.257,-8.128 ; U2.20@-19.634,-7.72 U2.20@-19.629,-7.725 ; -19.549,-5.588 -17.577,-5.588 -17.129,-6.036 U2.15@-17.129,-7.725 ; U2.68@-13.629,7.725 -13.629,6.39 v1(-13.589,6.35) ; v2(-13.335,-15.748) -13.335,-16.561 v2(-13.056,-16.84) ; U2.88@-8.404,0 v2(-7.366,0) ; v2(-3.835,-7.137) -3.683,-7.29 -1.549,-7.29 -1.524,-7.315
  Bottom Layer w0.762: v1(-66.802,-6.35) -67.437,-5.715 -67.437,-3.175 -65.278,-1.016 v1(-65.278,1.651) ; v1(-63.5,-15.494) v1(-63.5,-13.208) -63.5,-7.62
  Bottom Layer w1.27: RP1.1@-67.354,-17.03 -65.036,-17.03 v1(-63.5,-15.494) ; v1(-48.26,-1.905) -46.99,-1.905 ; v1(-47.752,-17.018) -47.752,-13.97 v1(-47.498,-13.716) -46.99,-13.208 v1(-46.99,-3.683) -46.863,-3.556 -46.863,-2.032 -46.99,-1.905 ; v1(-47.498,4.064) -47.498,3.429 -47.092,3.023 -47.092,-1.803 -46.99,-1.905 ; -5.785,21.012 -0.692,21.012 v1(-0.635,20.955) -0.762,20.955 -1.524,20.193 -1.524,-7.315 -1.524,-20.066 v1(-0.635,-20.955)
  other v1: -40.259,-20.447 -9.525,-18.796 -31.75,-18.669 -47.244,-18.034 -10.541,-17.78 -31.75,-17.526 -16.002,-17.526 -34.798,-17.399 -34.925,-15.494 -43.053,-13.462 -27.178,-12.192 -34.544,-8.89 -8.661,-7.544 -57.125,-5.436 -18.415,-4.445 -16.144,-2.667 -22.225,-1.143 -39.116,-0.762 -18.415,-0.356 -13.716,0 -5.715,0.635 -4.699,1.651 -16.104,1.915 -13.716,1.905 -56.896,2.515 -20.117,3.302 -22.022,3.912 -13.64,4.597 -4.064,5.207 -12.217,5.385 -22.022,5.461 -8.382,7.62 -62.23,10.287 -27.813,10.287 -63.246,15.113 -9.906,18.796 -8.255,18.796 -9.017,19.812 -7.493,19.812 -9.906,20.828 -8.255,20.828 -6.731,20.828
  other v2: -3.429,-20.64 -20.549,-12.903 -25.146,3.302 -25.273,3.937 -25.273,4.699 -25.273,5.334 -35.281,8.382 -3.429,21.27
  other v3: -21.717,-13.589 -17.78,-11.811 -25.527,-6.604
NetC2_1: C2.1 R1.1 R8.2 | length 5.3
  Top Layer w0.254: C2.1@-28.027,-18.034 R1.1@-25.408,-18.034 -24.376,-17.002 R8.2@-24.376,-15.748
NetC5_1: C5.1 U6.2 | length 3
  Top Layer w0.203: U6.2@-44.068,-12.192 U6.2@-43.941,-12.192
  Top Layer w0.381: C5.1@-46.685,-11.619 -46.112,-12.192 U6.2@-44.068,-12.192
NetC7_1: C7.1 R5.2 | length 1.9
  Top Layer w0.203: C7.1@-64.389,8.136 R5.2@-64.389,10.025
NetC7_2: C7.2 J2.6 | length 15.4
  Top Layer w0.254: J2.6@-70.491,-5.332 -68.894,-5.332 -68.072,-4.51 v1(-68.072,-1.905)
  Bottom Layer w0.254: v1(-68.072,-1.905) -68.072,-0.635 -66.142,1.295 -66.142,5.232 -65.405,5.969 v2(-64.389,5.969)
NetC8_1: C8.1 C25.1 R24.2 U8.1 | length 8.8
  Top Layer w0.254: C8.1@-55.299,-10.16 -53.856,-10.16 -53.094,-9.398 R24.2@-53.094,-8.636 C25.1@-53.094,-6.604 -53.721,-6.604 -54.864,-5.461 U8.1@-54.864,-4.266
NetC8_2: C8.2 R18.2 R19.2 | length 12
  Top Layer w0.254: R19.2@-61.341,-3.167 R18.2@-59.309,-3.167 -58.174,-2.032 -56.388,-2.032 -55.88,-2.54 -55.88,-7.547 C8.2@-55.299,-8.128
NetC9_1: C9.1 R22.1 | length 1.9
  Top Layer w0.254: R22.1@-49.657,-5.453 -49.657,-4.056 C9.1@-49.284,-3.683
NetC10_2: C10.2 R23.1 | length 2.5
  Top Layer w0.254: R23.1@-49.403,4.818 -49.038,4.818 C10.2@-47.498,6.358
NetC11_1: C11.1 RP1.3 | length 10.4
  Top Layer w0.254: RP1.3@-67.354,-13.03 -64.719,-13.03 -63.957,-12.268 -58.59,-12.268 C11.1@-57.65,-13.208
NetC11_2: C11.2 R29.1 R30.2 U8.3 | length 23.9
  Top Layer w0.254: R30.2@-61.206,-13.208 -60.19,-14.224 -59.182,-14.224 ; C11.2@-59.19,-13.208 -59.19,-14.216 -59.182,-14.224 ; U8.3@-52.324,-4.266 -51.608,-4.982 -51.608,-5.032 -51.445,-5.195 -51.395,-5.195 -50.367,-6.223 -48.768,-6.223 -48.26,-6.731 -48.26,-7.874 -52.197,-11.811 -55.372,-11.811 -55.634,-12.073 R29.1@-55.634,-13.208 -56.65,-14.224 -59.182,-14.224
NetC12_1: C12.1 RP1.2 | length 8.9
  Top Layer w0.254: RP1.2@-67.354,-15.03 -64.56,-15.03 -63.881,-14.351 -60.638,-14.351 -59.495,-15.494 C12.1@-59.19,-15.494
NetC12_2: C12.2 R31.2 R33.1 U8.5 | length 34.4
  Top Layer w0.254: R31.2@-61.206,-15.494 -61.206,-16.01 -60.706,-16.51 -57.658,-16.51 ; -57.65,-16.017 C12.2@-57.65,-15.494 -57.658,-15.502 -57.658,-16.51 ; U8.5@-51.054,2.234 -50.367,2.234 -49.276,1.143 -48.006,1.143 -47.244,0.381 -47.244,-2.159 -45.974,-3.429 -45.974,-6.858 -51.816,-12.7 -51.816,-13.716 -52.578,-14.478 -54.618,-14.478 R33.1@-55.634,-15.494 -56.65,-16.51 -57.658,-16.51
NetC13_1: C13.1 C26.1 R25.2 U8.7 | length 17.3
  Top Layer w0.254: C13.1@-61.722,7.112 -61.722,8.509 -60.833,9.398 -54.229,9.398 -52.84,8.009 R25.2@-52.84,6.477 C26.1@-52.84,4.445 -52.84,3.548 -53.594,2.794 U8.7@-53.594,2.234
NetC13_2: C13.2 R27.2 R28.2 | length 16.3
  Top Layer w0.254: C13.2@-61.722,5.08 -61.722,4.064 -61.087,3.429 -56.439,3.429 -55.956,2.946 -55.956,-0.203 -56.388,-0.635 -58.166,-0.635 -59.047,0.246 R28.2@-59.309,0.246 R27.2@-61.341,0.246
NetC16_1: C16.1 R11.2 | length 1.9
  Top Layer w0.203: C16.1@-66.294,8.136 R11.2@-66.294,10.025